# Altium PCB Main (Cópia em conflito de ivan seidel 2013-04-30).PcbDoc (part 1 of 2)
Units mil, origin at the board's own origin, x right, y up, seen from the top; angles counter-clockwise.
Board outline 7637.8 x 5309.29 mil, 2 copper layers (Top Layer, Bottom Layer), stack 65.792 mil thick; 235 components, 196 nets, 794 pads, 227 vias.
Unrouted connection lines stored in the file: 1.
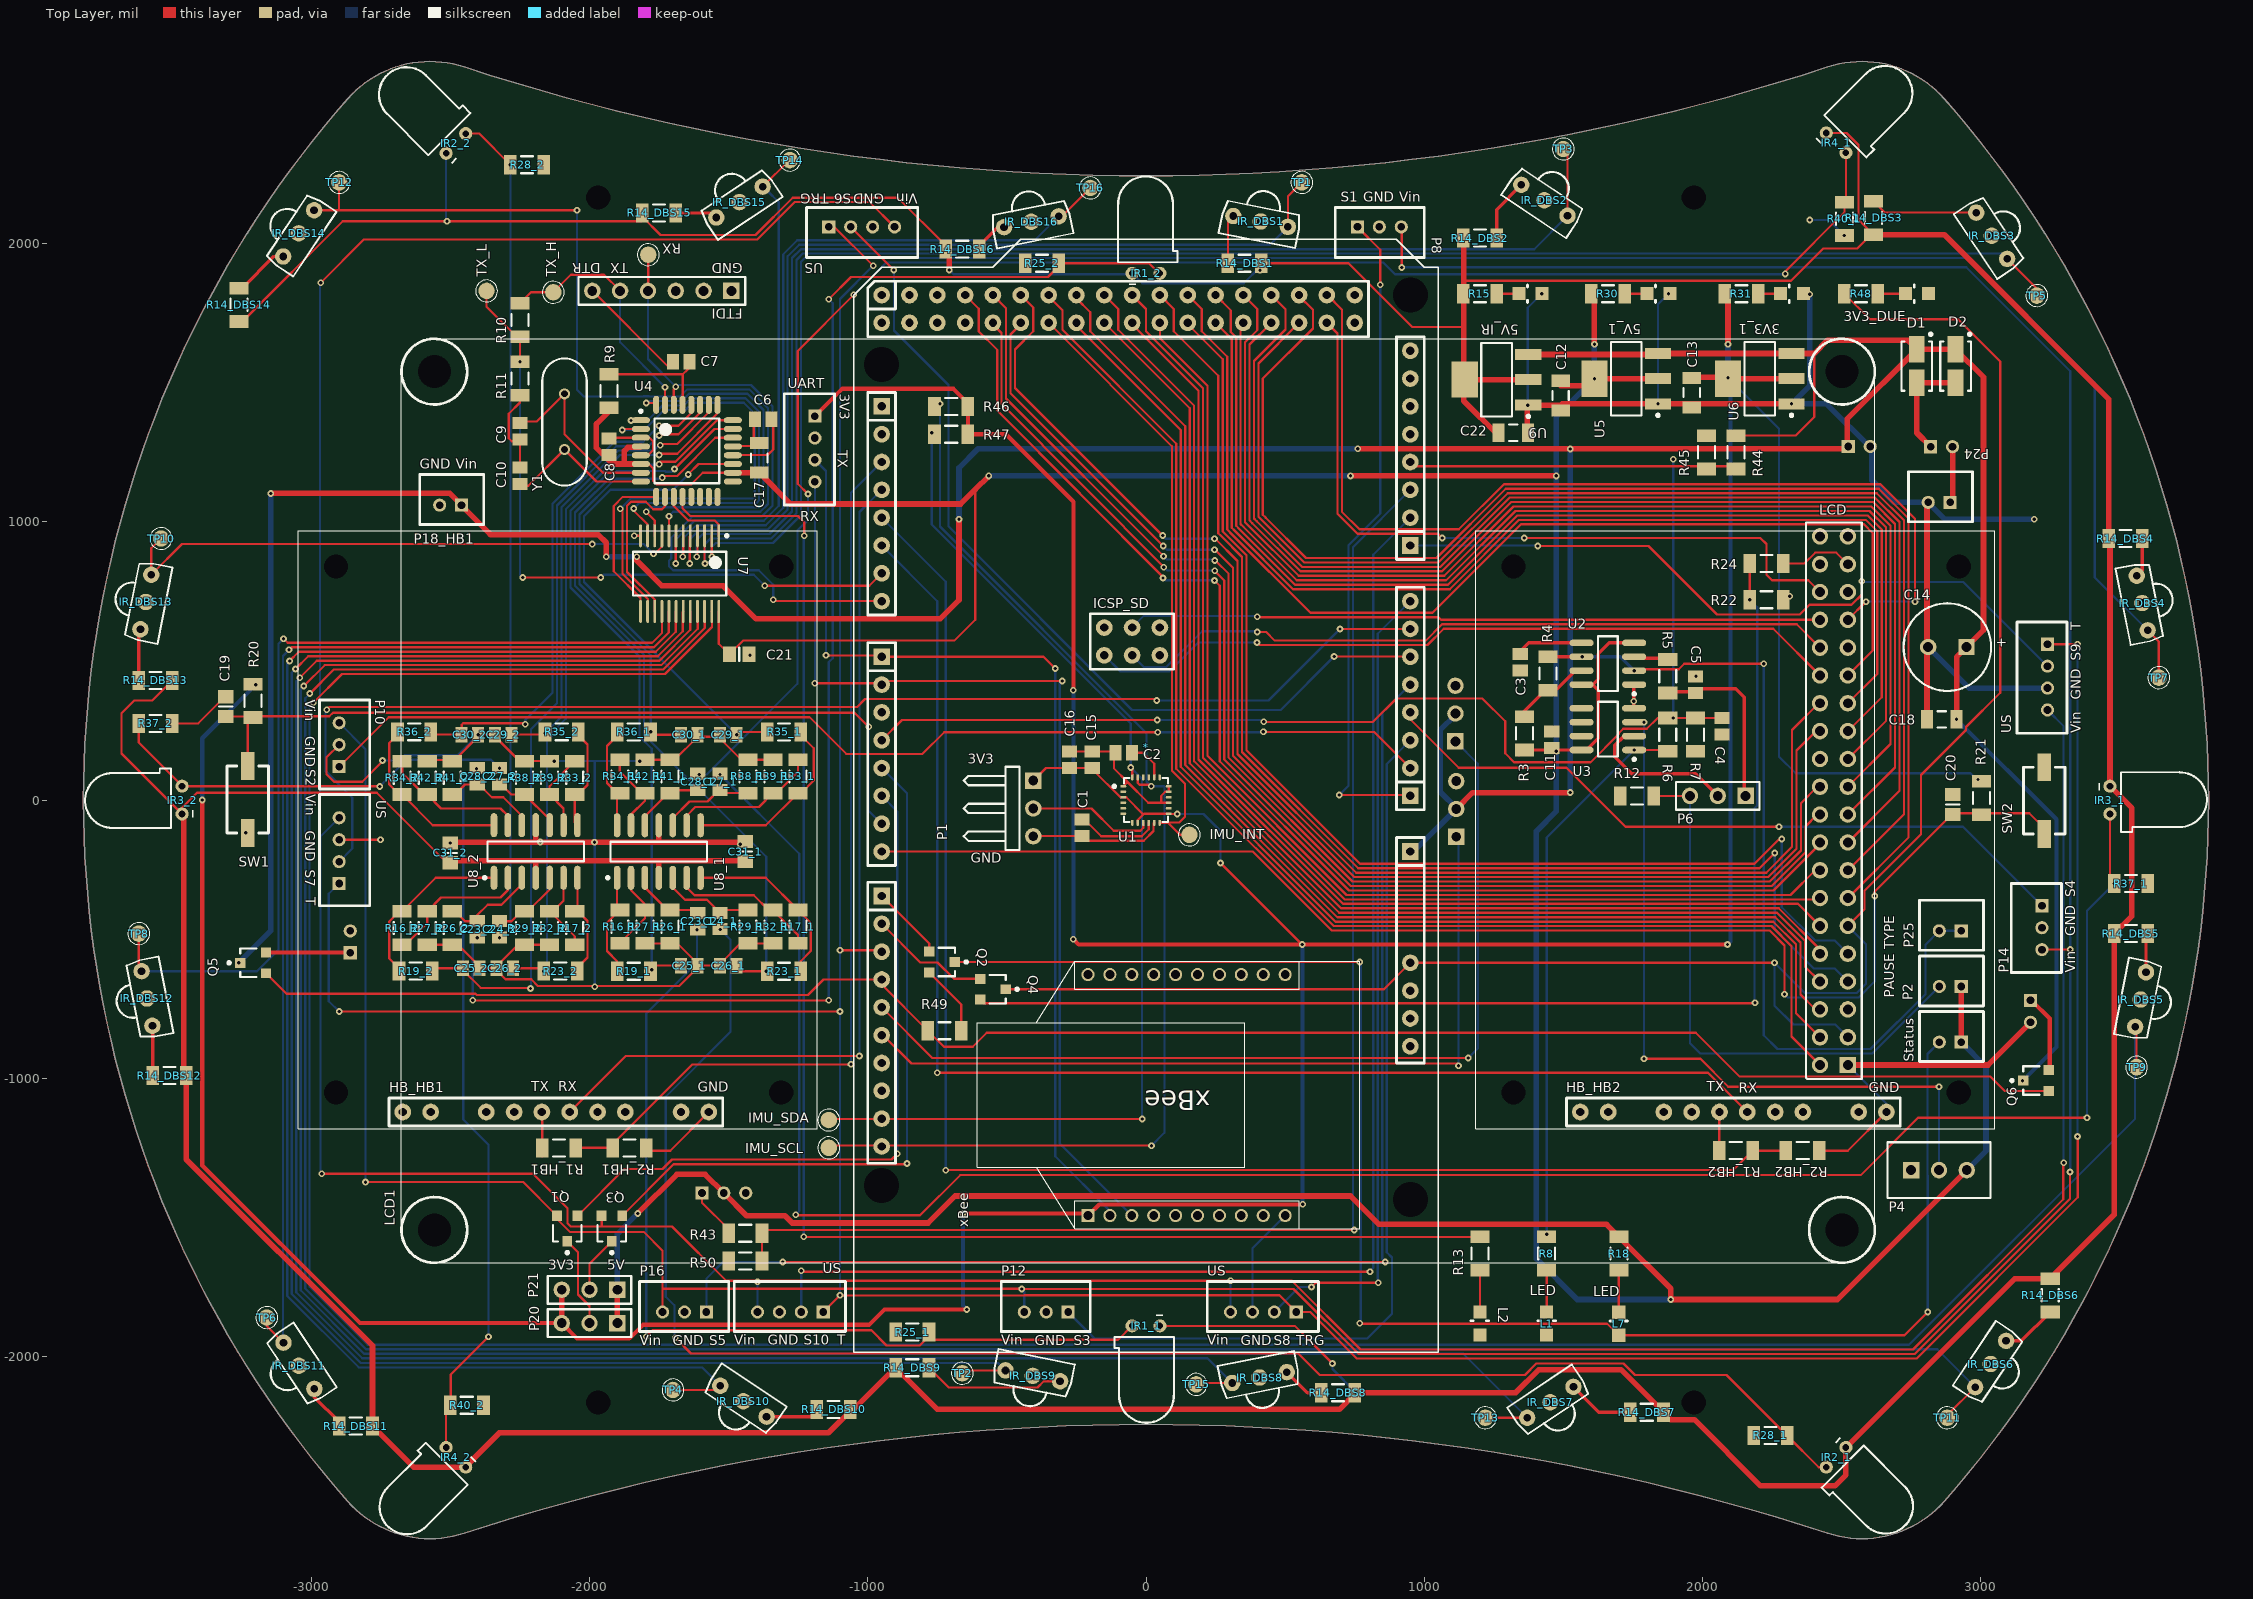
[diagram p0: Top Layer view]
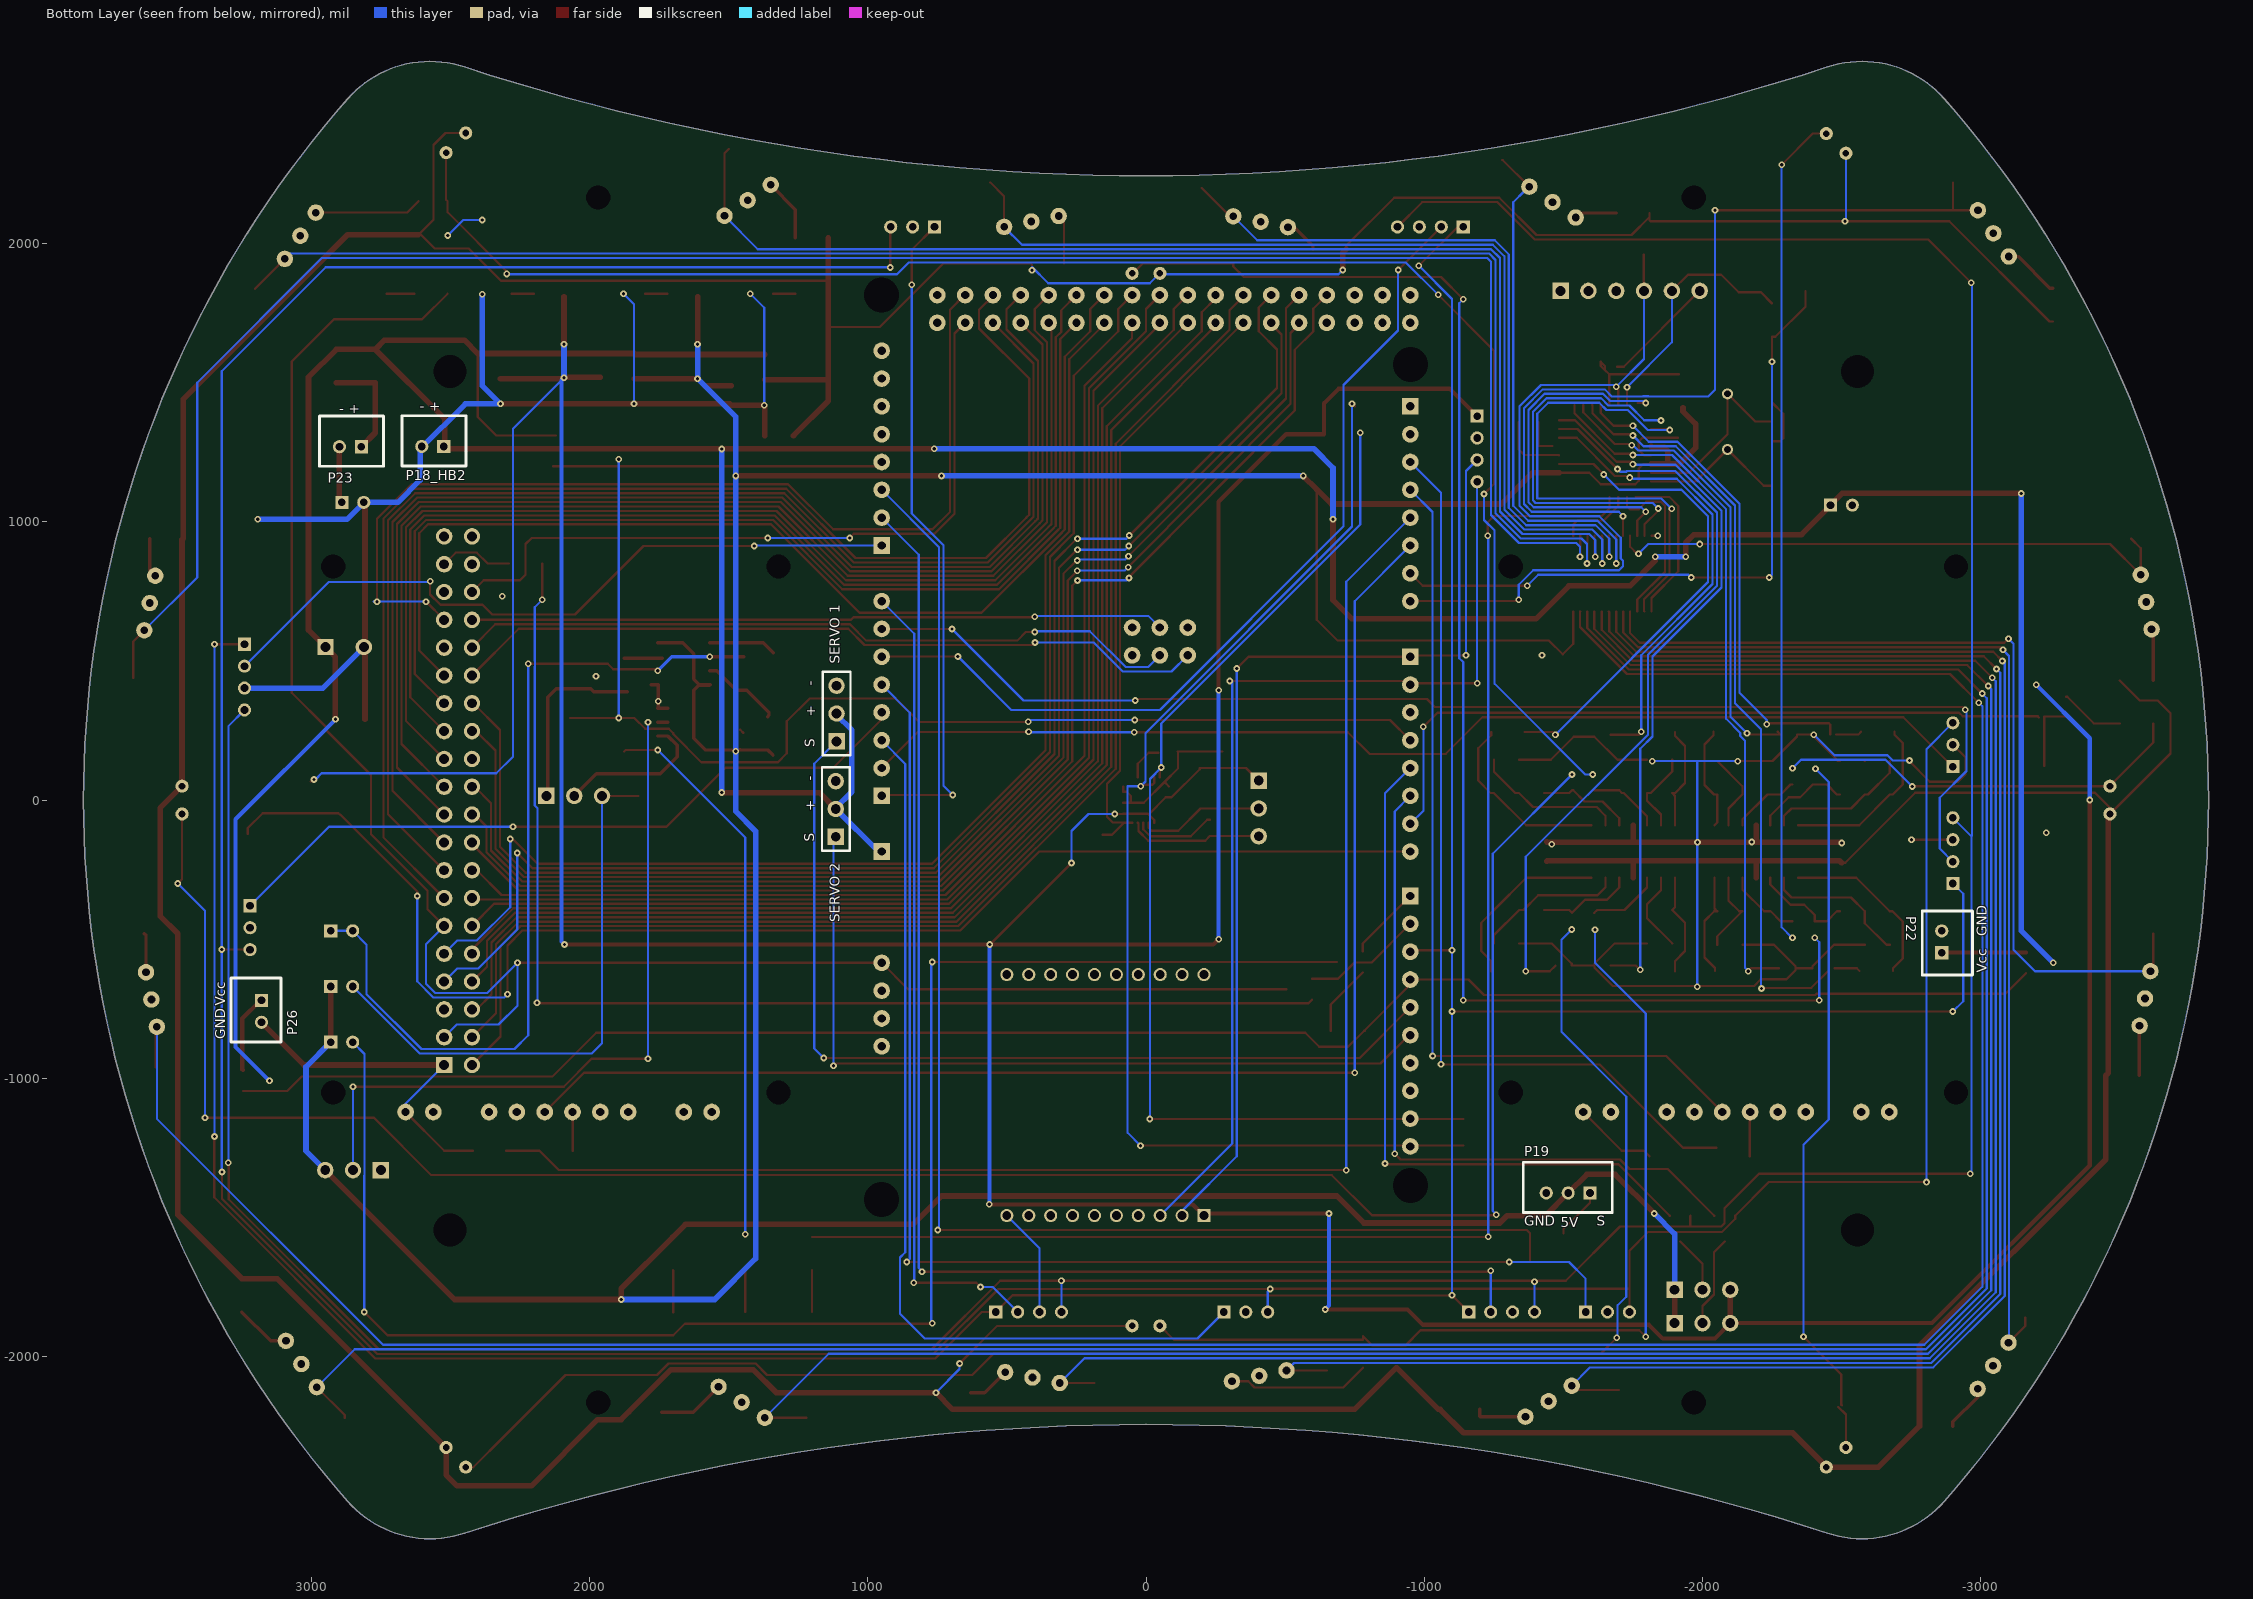
[diagram p1: Bottom Layer view, seen from below]

## Layer stack, top to bottom
Top Layer: signal copper 1.4
Dielectric: core 62.9921, FR-4, Dk 4.8
Bottom Layer: signal copper 1.4

## Board outline
-2868.7,-2520.82 cw(c0,0) -2868.7,2520.82 cw(c-2572.96,2260.95) -2450.43,2635.1 ccw(c0,10118.11) 2450.43,2635.1 cw(c2572.96,2260.95) 2868.7,2520.82 cw(c0,0) 2868.7,-2520.82 cw(c2572.96,-2260.95) 2450.43,-2635.1 ccw(c0,-10118.11) -2450.43,-2635.1 cw(c-2572.96,-2260.95)

## Design rules (kind name [scope] priority, off if disabled: settings)
Clearance [All] p1: gap=8
HoleSize [All] p1: absolutevalues=TRUE maxlimit=250 minlimit=12 maxpercent=80.000 minpercent=20.000
MinimumAnnularRing [All] p1: minimumring=6
MinimumSolderMaskSliver [All] p1 off: minsoldermaskwidth=0
PolygonConnect [All] p1: connectstyle=Relief reliefconductorwidth=10 reliefentries=4 polygonreliefangle="90 Angle"
RoutingVias [All] p1: holewidth=12 width=24 viastyle="Through Hole" minholewidth=12 minwidth=24 maxholewidth=12 maxwidth=34
SilkToSilkClearance [All] p1 off: silktosilkclearance=0
SilkscreenOverComponentPads [All] p1: minsilkscreentomaskgap=1
SolderMaskExpansion [All] p1: expansion=4
Width VCC's [(InNet('+3V3') OR InNet('+5V') OR InNet('USBVCC') OR InNet('USBVCCU2'))] p1: maxlimit=30 minlimit=12 preferedwidth=30
Width [All] p2: maxlimit=20 minlimit=8 preferedwidth=8
24 further rules are at their usual default settings.

## Classes and differential pairs
component class 2: C23_2 C24_2 C25_2 C26_2 C27_2 C28_2 C29_2 C30_2 C31_2 IR1_2 IR2_2 IR3_2 IR4_2 R16_2 R17_2 R19_2 R23_2 R25_2 R26_2 R27_2 R28_2 R29_2 R32_2 R33_2 R34_2 R35_2 R36_2 R37_2 R38_2 R39_2 R40_2 R41_2 R42_2 U8_2
component class 1: C23_1 C24_1 C25_1 C26_1 C27_1 C28_1 C29_1 C30_1 C31_1 IR1_1 IR2_1 IR3_1 IR4_1 R16_1 R17_1 R19_1 R23_1 R25_1 R26_1 R27_1 R28_1 R29_1 R32_1 R33_1 R34_1 R35_1 R36_1 R37_1 R38_1 R39_1 R40_1 R41_1 R42_1 U8_1
component class "Distance Sensors": P8 P10 P12 P14 P16 P20 P21 Q1 Q3 US
channel class "Digital Ball Sensor": DBS1 DBS2 DBS3 DBS4 DBS5 DBS6 DBS7 DBS8 DBS9 DBS10 DBS11 DBS12 DBS13 DBS14 DBS15 DBS16
channel class "Analog Ball Sensor": ABS1 ABS2 ABS3 ABS4 ABS5 ABS6 ABS7 ABS8
net class D[1..16]: D1 D2 D3 D4 D5 D6 D7 D8 D9 D10 D11 D12 D13 D14 D15 D16
channel class "H Bridge": Designator1 Designator2
component class Core: * "Arduino DUE"
net class DB[0..15]: DB0 DB1 DB2 DB3 DB4 DB5 DB6 DB7 DB8 DB9 DB10 DB11 DB12 DB13 DB14 DB15
component class "Ball Locator": C6 C7 C8 C9 C10 C14 C17 L2 R9 R10 R11 R13 RX TP1 TP2 TP3 TP4 TP5 TP6 TP7 TP8 TP9 TP10 TP11 TP12 TP13 TP14 TP15 TP16 TX_H TX_L U7 Y1
component class DBS1: IR_DBS1 R14_DBS1
component class DBS2: IR_DBS2 R14_DBS2
component class DBS3: IR_DBS3 R14_DBS3
component class DBS4: IR_DBS4 R14_DBS4
component class DBS5: IR_DBS5 R14_DBS5
component class DBS6: IR_DBS6 R14_DBS6
component class DBS7: IR_DBS7 R14_DBS7
component class DBS8: IR_DBS8 R14_DBS8
component class DBS9: IR_DBS9 R14_DBS9
component class DBS10: IR_DBS10 R14_DBS10
component class DBS11: IR_DBS11 R14_DBS11
component class DBS12: IR_DBS12 R14_DBS12
component class DBS13: IR_DBS13 R14_DBS13
component class DBS14: IR_DBS14 R14_DBS14
component class DBS15: IR_DBS15 R14_DBS15
component class DBS16: IR_DBS16 R14_DBS16
component class HB1: HB_HB1 P18_HB1 R1_HB1 R2_HB1
component class HB2: HB_HB2 P18_HB2 R1_HB2 R2_HB2
component class IMU: C1 C2 C15 C16 IMU_INT IMU_SCL IMU_SDA P1 R46 R47 U1
component class Interface: C3 C4 C5 C11 C19 C20 L1 L7 P2 P4 P6 P25 Q2 R3 R4 R5 R6 R7 R8 R12 R18 R20 R21 SW1 SW2 U2 U3
component class LCD: LCD1 Q4 R22 R24
component class "Power Supply": 3V3_1 5V_1 5V_IR C12 C13 C14 C18 C22 D1 D2 P19 P22 P26 Q5 Q6 R15 R30 R31 R43 R44 R45 R48 R49 R50 U9
component class Bluetooth: xBee
net class S[1..10]: S1 S2 S3 S4 S5 S6 S7 S8 S9 S10

## Components (designator, comment, footprint, x,y, rotation, side; value= is the part's Value field where it differs from the comment)
3V3_1 "LED" LED0805 2280,1820 r0 top
3V3_DUE "LED" LED0805 2730,1820 r0 top
5V_1 "LED" LED0805 1800,1820 r0 top
5V_IR "LED" LED0805 1340,1820 r0 top
* "ARDUINO DUE" ARDUINO-DUE 1050,-1985 r90 top locked
C1 "0.1uF" C0805 -230,-100 r90 top
C2 "2.2nF" C0805 -80,170 r0 top
C3 "100pF" C0805 1345,495 r90 top
C4 "100pF" C0805 2070,265 r90 top
C5 "100pF" C0805 1975,415 r270 top
C6 "0.1uF" C0805 -1376,1369 r0 top
C7 "0.1uF" C0805 -1670,1575 r180 top
C8 "0.1uF" C0805 -1930,1270 r270 top
C9 "22pF" C0805 -2250,1325 r270 top
C10 "22pF" C0805 -2250,1165 r90 top
C11 "100pF" C0805 1458,217.04 r270 top
C12 "10uF" C1206 1490,1453.9 r90 top
C13 "10uF" C1206 1961.65,1464.45 r90 top
C14 "470uF" E 2880,550 r180 top
C15 "0.1uF" C0805 -193,145 r270 top
C16 "10nF" C0805 -275,145 r270 top
C17 "10uF" C1206 -1390,1230 r270 top
C18 "10uF" C1206 2860,290 r0 top
C19 "100nF" 6-0805_N -3307.09,335.85 r90 top
C20 "100nF" 6-0805_N 2899,-16 r90 top
C21 "Cap Semi" 6-0805_N -1462,524 r180 top
C22 "10uF" C1206 1320,1320 r180 top
C23_1 "1nF" C0805 -1611,-435 r270 top (schematic designator C23)
C23_2 "1nF" C0805 -2403.4,-464.84 r270 top (schematic designator C23)
C24_1 "1nF" C0805 -1531,-434.68 r270 top (schematic designator C24)
C24_2 "1nF" C0805 -2323.4,-464.84 r270 top (schematic designator C24)
C25_1 "1uF" C0805 -1641,-595 r0 top (schematic designator C25)
C25_2 "1uF" C0805 -2424.88,-604.8 r0 top (schematic designator C25)
C26_1 "1uF" C0805 -1501,-595 r180 top (schematic designator C26)
C26_2 "1uF" C0805 -2304.88,-604.8 r180 top (schematic designator C26)
C27_1 "1nF" C0805 -1531,65 r90 top (schematic designator C27)
C27_2 "1nF" C0805 -2323.4,85.16 r90 top (schematic designator C27)
C28_1 "1nF" C0805 -1611,65 r90 top (schematic designator C28)
C28_2 "1nF" C0805 -2403.4,85.16 r90 top (schematic designator C28)
C29_1 "1uF" C0805 -1501,235 r180 top (schematic designator C29)
C29_2 "1uF" C0805 -2310,235.2 r180 top (schematic designator C29)
C30_1 "1uF" C0805 -1641,235 r0 top (schematic designator C30)
C30_2 "1uF" C0805 -2430,235.2 r0 top (schematic designator C30)
C31_1 "Cap Semi" 6-0805_N -1440,-185 r270 top (schematic designator C31)
C31_2 "Cap Semi" 6-0805_N -2500,-190 r270 top (schematic designator C31)
D1 "1N4004" DIODESMA 2770,1560 r270 top
D2 "1N4004" DIODESMA 2910,1560 r270 top
FTDI "Header 6" HDR1X6 -1490,1830 r180 top (schematic designator P7)
HB_HB1 "H BRIDGE" POLOLU-QIK-2S12V10-BOTTOM -1181.1,-1181.1 r90 top locked (schematic designator HB)
HB_HB2 "H BRIDGE" POLOLU-QIK-2S12V10-BOTTOM 3051.18,-1181.1 r90 top locked (schematic designator HB)
IMU_INT "Test Point" TP1 156,-125 r90 top
IMU_SCL "Test Point" TP1 -1140,-1250 r90 top
IMU_SDA "Test Point" TP1 -1140,-1150 r90 top
IR1_1 "IR" "LED-5mm - Horizontal" 0,-1889.76 r0 top (schematic designator IR1)
IR1_2 "IR" "LED-5mm - Horizontal" 0,1893 r180 top (schematic designator IR1)
IR2_1 "IR" "LED-5mm - Horizontal" 2480.32,-2362.2 r45 top (schematic designator IR2)
IR2_2 "IR" "LED-5mm - Horizontal" -2480.31,2360 r225 top (schematic designator IR2)
IR3_1 "IR" "LED-5mm - Horizontal" 3464.57,0 r90 top (schematic designator IR3)
IR3_2 "IR" "LED-5mm - Horizontal" -3464.57,0 r270 top (schematic designator IR3)
IR4_1 "IR" "LED-5mm - Horizontal" 2480.32,2362.2 r135 top (schematic designator IR4)
IR4_2 "IR" "LED-5mm - Horizontal" -2480.31,-2362.2 r315 top (schematic designator IR4)
IR_DBS1 "KSM603" KSM603 510,2060 r168.75 top (schematic designator IR)
IR_DBS2 "KSM603" KSM603 1515,2100 r146.25 top (schematic designator IR)
IR_DBS3 "KSM603" KSM603 3095,1945 r123.75 top (schematic designator IR)
IR_DBS4 "KSM603" KSM603 3600,610 r101.25 top (schematic designator IR)
IR_DBS5 "KSM603" KSM603 3555,-815 r78.75 top (schematic designator IR)
IR_DBS6 "KSM603" KSM603 2980,-2110 r56.25 top (schematic designator IR)
IR_DBS7 "KSM603" KSM603 1370,-2220 r33.75 top (schematic designator IR)
IR_DBS8 "KSM603" KSM603 310,-2095 r11.25 top (schematic designator IR)
IR_DBS9 "KSM603" KSM603 -505,-2050 r348.75 top (schematic designator IR)
IR_DBS10 "KSM603" KSM603 -1530,-2105 r326.25 top (schematic designator IR)
IR_DBS11 "KSM603" KSM603 -3100,-1950 r303.75 top (schematic designator IR)
IR_DBS12 "KSM603" KSM603 -3610,-615 r281.25 top (schematic designator IR)
IR_DBS13 "KSM603" KSM603 -3575,810 r258.75 top (schematic designator IR)
IR_DBS14 "KSM603" KSM603 -2990,2120 r236.25 top (schematic designator IR)
IR_DBS15 "KSM603" KSM603 -1377.95,2204.72 r213.75 top (schematic designator IR)
IR_DBS16 "KSM603" KSM603 -314,2098 r191.25 top (schematic designator IR)
L1 "LED" LED0805 1440,-1840 r270 top
L2 "LED" LED0805 1200,-1840 r270 top
L7 "LED" LED0805 1699,-1841 r270 top
LCD1 "5.0\" LCD" "TFT LCD 5.0 INCHES" 2619.46,1657.75 r180 top locked
P1 "Header 3H" HDR1X3H -405,70 r270 top
P2 "JST PH 2" B2B-PH-K 2930,-670 r180 top
P4 "10K" TRIMPOT-3296W 2750,-1330 r0 top
P6 "Header 3" HDR1X3 2155,15 r180 top
P8 "JST PH 3" B3B-PH-K 760,2060 r0 top
P10 "JST PH 3" B3B-PH-K -2900,120 r90 top
P12 "JST PH 3" B3B-PH-K -280,-1840 r180 top
P14 "JST PH 3" B3B-PH-K 3220,-380 r270 top
P16 "JST PH 3" B3B-PH-K -1580,-1840 r180 top
P18_HB1 "JST PH 2" B2B-PH-K -2460,1060 r180 top (schematic designator P18)
P18_HB2 "JST PH 2" B2B-PH-K 2524,1271 r0 bottom (schematic designator P18)
P19 "JST PH 3" B3B-PH-K -1596,-1412 r0 bottom
P20 "Header 3" HDR1X3 -1900,-1880 r180 top
P21 "Header 3" HDR1X3 -1900,-1760 r180 top
P22 "JST PH 2" B2B-PH-K -2860,-549 r90 bottom
P23 "JST PH 2" B2B-PH-K 2820,1270 r0 bottom
P24 "JST PH 2" B2B-PH-K 2890,1070 r180 top
P25 "JST PH 2" B2B-PH-K 2930,-470 r180 top
P26 "JST PH 2" B2B-PH-K 3179,-720 r270 bottom
Q1 "BSS138" SOT23 -2080,-1540 r180 top
Q2 "BSS138" SOT23 -733,-582 r270 top
Q3 "BSS138" SOT23 -1920,-1540 r180 top
Q4 "BSS138" SOT23 -550,-680 r270 top
Q5 "BSS138" SOT23 -3209,-585 r90 top
Q6 "BSS138" SOT23 3199,-1008 r90 top
R1_HB1 "10K" RES1206 -2110,-1250 r180 top (schematic designator R1)
R1_HB2 "10K" RES1206 2120,-1260 r180 top (schematic designator R1)
R2_HB1 "2K2" RES1206 -1856,-1250 r180 top (schematic designator R2)
R2_HB2 "2K2" RES1206 2360,-1260 r180 top (schematic designator R2)
R3 "100K" RES1206 1360,239.96 r270 top
R4 "100K" RES1206 1445,455 r270 top
R5 "10K" RES1206 1875,445 r90 top
R6 "10K" RES1206 1875,235 r270 top
R7 "2K2" RES1206 1975,235 r90 top
R8 "330R" RES1206 1440,-1630 r270 top
R9 "10K" RES1206 -1930,1470 r90 top
R10 "10K" RES1206 -2250,1725 r90 top
R11 "2K2" RES1206 -2250,1515 r90 top
R12 "10K" RES1206 1765,15 r0 top
R13 "330R" RES1206 1200,-1630 r90 top
R14_DBS1 "330R" RES1206 354.33,1929.13 r0 top (schematic designator R14)
R14_DBS2 "330R" RES1206 1200,2020 r180 top (schematic designator R14)
R14_DBS3 "330R" RES1206 2615,2092 r270 top (schematic designator R14)
R14_DBS4 "330R" RES1206 3520,940 r180 top (schematic designator R14)
R14_DBS5 "330R" RES1206 3540,-480 r180 top (schematic designator R14)
R14_DBS6 "330R" RES1206 3250,-1780 r90 top (schematic designator R14)
R14_DBS7 "330R" RES1206 1800,-2200 r0 top (schematic designator R14)
R14_DBS8 "330R" RES1206 690,-2130 r0 top (schematic designator R14)
R14_DBS9 "330R" RES1206 -840,-2040 r180 top (schematic designator R14)
R14_DBS10 "330R" RES1206 -1123,-2190 r0 top (schematic designator R14)
R14_DBS11 "330R" RES1206 -2840,-2250 r0 top (schematic designator R14)
R14_DBS12 "330R" RES1206 -3510,-990 r0 top (schematic designator R14)
R14_DBS13 "330R" RES1206 -3560,430 r0 top (schematic designator R14)
R14_DBS14 "330R" RES1206 -3260,1780 r270 top (schematic designator R14)
R14_DBS15 "330R" RES1206 -1750,2110 r180 top (schematic designator R14)
R14_DBS16 "330R" RES1206 -660,1980 r180 top (schematic designator R14)
R15 "1K" RES1206 1200,1820 r180 top
R16_1 "100K" RES1206 -1891,-455 r270 top (schematic designator R16)
R16_2 "100K" RES1206 -2673.4,-460 r270 top (schematic designator R16)
R17_1 "100K" RES1206 -1251,-455 r270 top (schematic designator R17)
R17_2 "100K" RES1206 -2053.4,-460 r270 top (schematic designator R17)
R18 "330R" RES1206 1700,-1630 r270 top
R19_1 "1K" RES1206 -1841,-615 r0 top (schematic designator R19)
R19_2 "1K" RES1206 -2624.88,-614.84 r0 top (schematic designator R19)
R20 "10K" RES1206 -3209.09,356.85 r270 top
R21 "10K" RES1206 3003,7 r270 top
R22 "10R" RES1206 2230,850 r180 top
R23_1 "1K" RES1206 -1301,-615 r180 top (schematic designator R23)
R23_2 "1K" RES1206 -2104.88,-614.84 r180 top (schematic designator R23)
R24 "10K" RES1206 2230,720 r0 top
R25_1 "2K2" RES1206 -840,-1912 r0 top (schematic designator R25)
R25_2 "2K2" RES1206 -374.02,1929.13 r0 top (schematic designator R25)
R26_1 "47K" RES1206 -1711,-455 r270 top (schematic designator R26)
R26_2 "47K" RES1206 -2493.4,-460 r270 top (schematic designator R26)
R27_1 "1K" RES1206 -1801,-455 r270 top (schematic designator R27)
R27_2 "1K" RES1206 -2583.4,-460 r270 top (schematic designator R27)
R28_1 "2K2" RES1206 2244.09,-2283.46 r0 top (schematic designator R28)
R28_2 "2K2" RES1206 -2224.41,2283.46 r180 top (schematic designator R28)
R29_1 "47K" RES1206 -1431,-455 r270 top (schematic designator R29)
R29_2 "47K" RES1206 -2233.4,-460 r270 top (schematic designator R29)
R30 "330R" RES1206 1660,1820 r180 top
R31 "1K" RES1206 2140,1820 r180 top
R32_1 "1K" RES1206 -1341,-455 r270 top (schematic designator R32)
R32_2 "1K" RES1206 -2143.4,-460 r270 top (schematic designator R32)
R33_1 "100K" RES1206 -1251,85 r90 top (schematic designator R33)
R33_2 "100K" RES1206 -2053.4,80 r90 top (schematic designator R33)
R34_1 "100K" RES1206 -1891,85 r90 top (schematic designator R34)
R34_2 "100K" RES1206 -2673.4,80 r90 top (schematic designator R34)
R35_1 "1K" RES1206 -1301,245 r180 top (schematic designator R35)
R35_2 "1K" RES1206 -2100,245.16 r180 top (schematic designator R35)
R36_1 "1K" RES1206 -1841,245 r0 top (schematic designator R36)
R36_2 "1K" RES1206 -2630,245.16 r0 top (schematic designator R36)
R37_1 "2K2" RES1206 3540,-300 r180 top (schematic designator R37)
R37_2 "2K2" RES1206 -3560,275.59 r180 top (schematic designator R37)
R38_1 "47K" RES1206 -1431,85 r90 top (schematic designator R38)
R38_2 "47K" RES1206 -2233.4,80 r90 top (schematic designator R38)
R39_1 "1K" RES1206 -1341,85 r90 top (schematic designator R39)
R39_2 "1K" RES1206 -2143.4,80 r90 top (schematic designator R39)
R40_1 "2K2" RES1206 2510,2089 r90 top (schematic designator R40)
R40_2 "2K2" RES1206 -2441,-2175 r180 top (schematic designator R40)
R41_1 "47K" RES1206 -1711,85 r90 top (schematic designator R41)
R41_2 "47K" RES1206 -2493.4,80 r90 top (schematic designator R41)
R42_1 "1K" RES1206 -1801,85 r90 top (schematic designator R42)
R42_2 "1K" RES1206 -2583.4,80 r90 top (schematic designator R42)
R43 "10K" RES1206 -1440,-1556.75 r0 top
R44 "10K" RES1206 2121,1250 r90 top
R45 "2K2" RES1206 2014,1250 r270 top
R46 "10K" RES1206 -700,1415 r180 top
R47 "10K" RES1206 -700,1315 r180 top
R48 "330R" RES1206 2570,1820 r180 top
R49 "10K" RES1206 -724,-829 r0 top
R50 "2K2" RES1206 -1440,-1656.75 r180 top